# Altium PCB R100.230.040.000-00 Filtr2.PcbDoc (part 1 of 2)
Units mm, origin at the board's own origin, x right, y up, seen from the top; angles counter-clockwise.
Board outline 335 x 340 mm, 2 copper layers (Top, Bottom); 150 components, 79 nets, 411 pads, 1525 vias.
Unrouted connection lines stored in the file: 5.
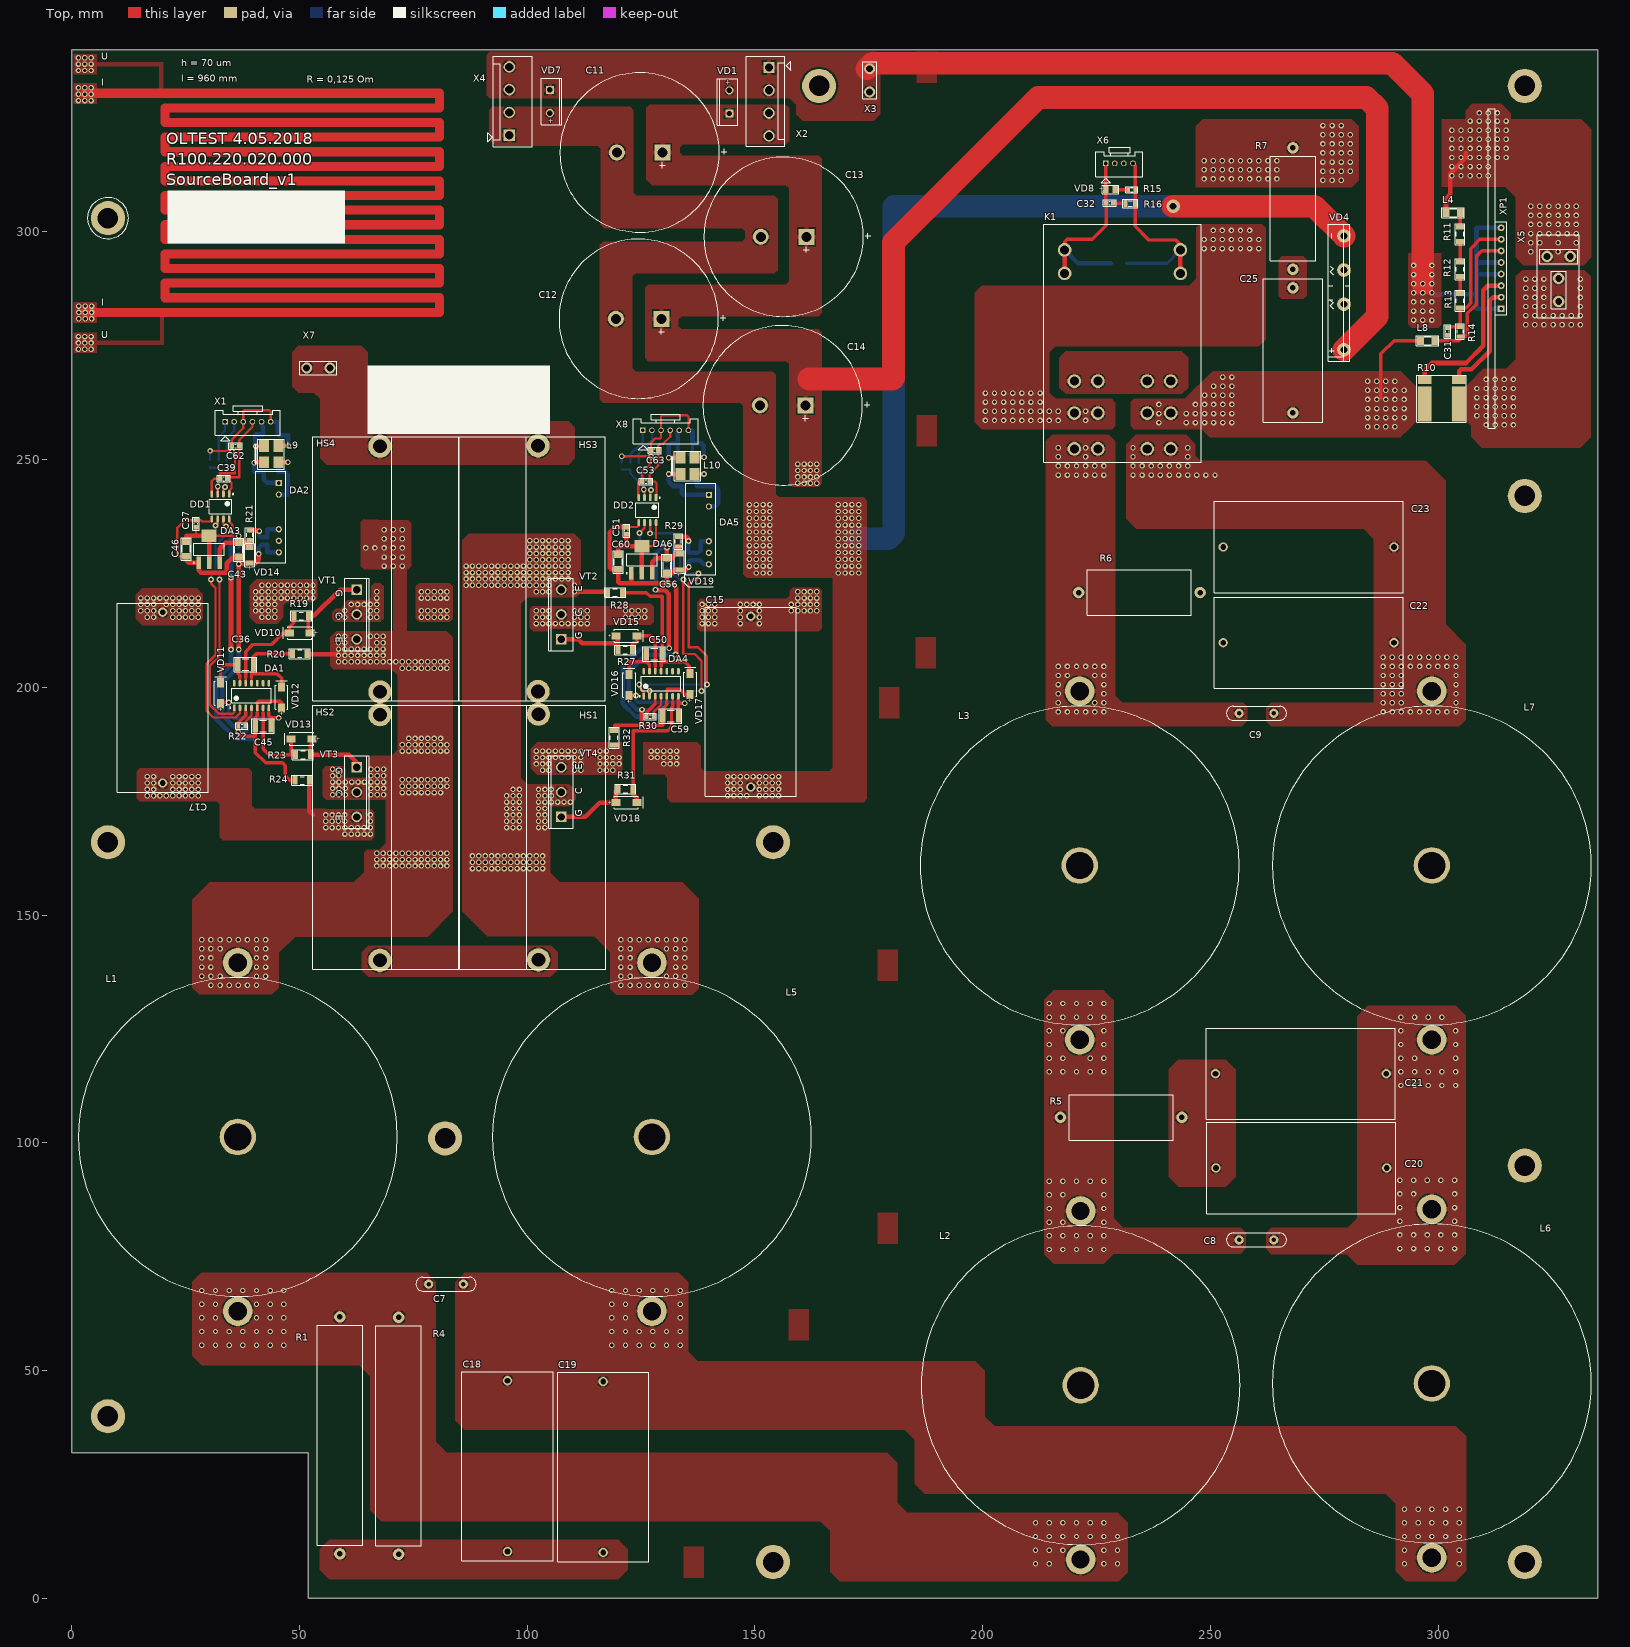
[diagram p0: Top view]
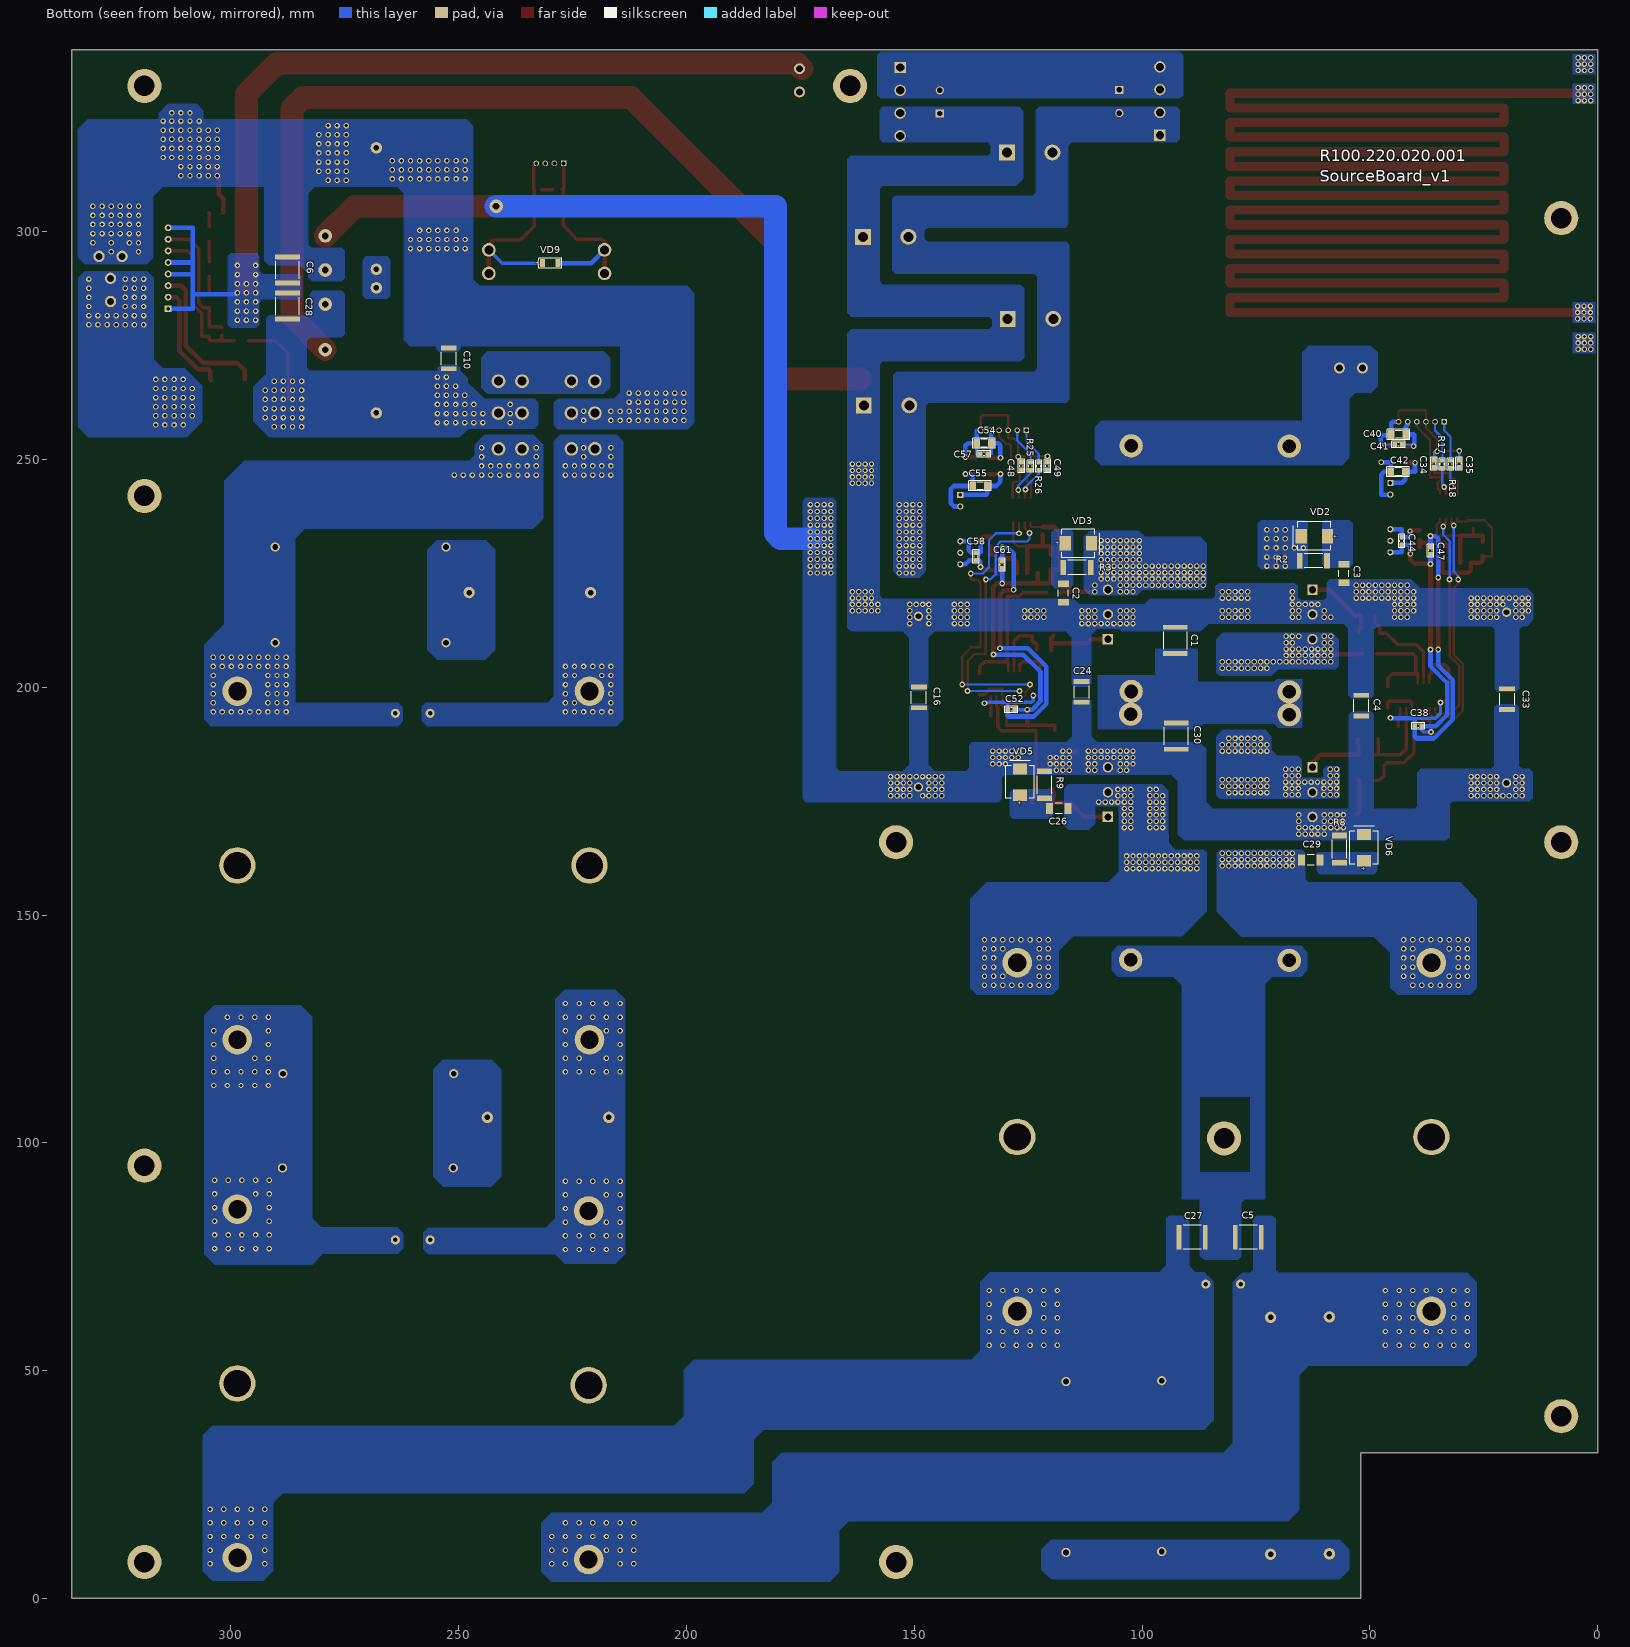
[diagram p1: Bottom view, seen from below]

## Layer stack, top to bottom
Top Solder: solder mask 0.0102, Solder Resist, Dk 3.5
Top: signal copper 0.0356
Dielectric 1: dielectric 0.32, FR-4, Dk 4.8
Bottom: signal copper 0.0356
Bottom Solder: solder mask 0.0102, Solder Resist, Dk 3.5

## Board outline
0,32 52,32 52,0 335,0 335,340 0,340

## Design rules (kind name [scope] priority, off if disabled: settings)
BoardOutlineClearance [All] p1: gap=0.5
Clearance Clearance_1 [(ObjectKind = 'Pad') And (Component = 'R10') And (Name = 'R10-2') vs InNet('VOUT-')] p1: gap=0.3
Clearance Clearance_Vout+- [InNet('VOUT+') or InNet('VOUT-')] p2: gap=1
Clearance Clearance_VOUT+-_4_+-Vin [InNet('VOUT+_4') or InNet('VOUT-_4') vs InNet('-VIN_200') or InNet('+VIN_200')] p3: gap=2
Clearance Clearance_VOUT+_4_VOUT-_4 [InNet('VOUT+_4') vs InNet('VOUT-_4')] p4: gap=2
Clearance Clearance_Vout_all [InNet('VOUT+_4') or InNet('VOUT-_4') or  InNet('VOUT+_3') or InNet('VOUT-_3') or InNet('VOUT+_2') or InNet('VOUT-_2') or InNet('VOUT+_1') or InNet('VOUT-_1') or InNet('VOUT+') or InNet('VOUT-')] p5: gap=1.2
Clearance Clearance_xp3_xp2_-Vin_200 [((ObjectKind = 'Pad') And (Component = 'XP3') And (Name = 'XP3-5')) or ((ObjectKind = 'Pad') And (Component = 'XP2') And (Name = 'XP2-5')) vs InNet('-VIN_200')] p6: gap=0.5
Clearance Clearance_+Vin_200_-Vin_200 [InNet('+VIN_200') vs InNet('-VIN_200')] p7: gap=2.2
Clearance Clearance_-Vin_200_All [InNet('-VIN_200') or InNet('+VIN_200')] p8: gap=1.2
Clearance [All] p9: gap=0.3 except(0.4: Arc-Poly Track-Poly SMDPad-Poly THPad-Poly Via-Poly Fill-Poly Poly-Poly)
ComponentClearance ComponentClearance_HS1 [(ObjectKind = 'Component') And (Name = 'HS1') or     (ObjectKind = 'Component') And (Name = 'HS2') or     (ObjectKind = 'Component') And (Name = 'HS3') or     (ObjectKind = 'Component') And (Name = 'HS4')] p1: gap=0.1 collisioncheckmode=3 verticalgap=0.1 showdistances=FALSE
ComponentClearance [All] p2: gap=0.254 collisioncheckmode=3 verticalgap=0.254 showdistances=FALSE
Height [All] p1: minheight=0 maxheight=63.5 prefheight=12.7
HoleSize [All] p1: absolutevalues=TRUE maxlimit=6.35 minlimit=0.025 maxpercent=80.000 minpercent=20.000
PolygonConnect PolygonConnect_shunt [(ObjectKind = 'Pad') And (Component = 'R10') And (Name = 'R10-1') or (ObjectKind = 'Pad') And (Component = 'R10') And (Name = 'R10-3')] p1: connectstyle=Direct reliefconductorwidth=0.254 reliefentries=4 polygonreliefangle="90 Angle" airgapwidth=0.254
PolygonConnect PolygonConnect_snnaber [((ObjectKind = 'Pad') And (Component = 'C3') And (Name = 'C3-2'))  or (ObjectKind = 'Poly') And (Net = 'NetC3_1')  or (ObjectKind = 'Pad') And (Component = 'R2') And (Name = 'R2-1')  or (ObjectKind = 'Pad') And (Component = 'VD2') And (Name = 'VD2-2')  or(ObjectKind = 'Pad') And (Component = 'C29') And (Name = 'C29-2') or (ObjectKind = 'Poly') And (Net = 'NetC29_1') or (ObjectKind = 'Pad') And (Component = 'VD6') And (Name = 'VD6-2') or (ObjectKind = 'Pad') And (Component = 'R8') And (Name = 'R8-1') or (ObjectKind = 'Poly') And (Net = 'N2') And (Name = 'Top Overlay-No Net')] p2: connectstyle=Direct reliefconductorwidth=0.254 reliefentries=4 polygonreliefangle="90 Angle" airgapwidth=0.254
PolygonConnect PolygonConnect_1 [IsStitchingVia] p3: connectstyle=Direct reliefconductorwidth=0.254 reliefentries=4 polygonreliefangle="90 Angle" airgapwidth=0.254
PolygonConnect PolygonConnect_bottom_fill [OnLayer('Bottom')] p4: connectstyle=Direct reliefconductorwidth=0.254 reliefentries=4 polygonreliefangle="90 Angle" airgapwidth=0.254
PolygonConnect PoligonConnect_top [OnLayer('Top')] p5: connectstyle=Relief reliefconductorwidth=1 reliefentries=4 polygonreliefangle="90 Angle" airgapwidth=0.3
RoutingVias [All] p1: holewidth=0.7 width=1.2 viastyle="Through Hole" minholewidth=0.5 minwidth=1 maxholewidth=5.08 maxwidth=7.62
SolderMaskExpansion [All] p1: expansion=0.102
Width Width_+Vin_200 [InNet('+VIN_200')] p1: maxlimit=50 minlimit=0.762 preferedwidth=10 checkconnectedcopper=TRUE
Width [InNet('No Net')] p2: maxlimit=0.254 minlimit=0.254 preferedwidth=0.254
27 further rules are at their usual default settings.

## Classes and differential pairs
component class SourceBoard_v1: C1 C2 C3 C4 C5 C6 C7 C8 C9 C10 C11 C12 C13 C14 C15 C16 C17 C18 C19 C20 C21 C22 C23 C24 C25 C26 C27 C28 C29 C30 C31 C32 C33 HS1 HS2 HS3 HS4 K1 L1 L2 L3 L4 L5 L6 L7 L8 R1 R2 R3 R4 R5 R6 R7 R8 R9 R10 R11 R12 R13 R14 R15 R16 VD1 VD2 VD3 VD4 VD5 VD6 VD7 VD8 VD9 VT1 VT2 VT3 VT4 X2 X3 X4 X5 X6 X7 XP1
component class SourceBoard_v1_sheet2: C34 C35 C36 C37 C38 C39 C40 C41 C42 C43 C44 C45 C46 C47 C48 C49 C50 C51 C52 C53 C54 C55 C56 C57 C58 C59 C60 C61 C62 C63 DA1 DA2 DA3 DA4 DA5 DA6 DD1 DD2 L9 L10 R17 R18 R19 R20 R21 R22 R23 R24 R25 R26 R27 R28 R29 R30 R31 R32 VD10 VD11 VD12 VD13 VD14 VD15 VD16 VD17 VD18 VD19 X1 X8

## Components (designator, comment, footprint, x,y, rotation, side; value= is the part's Value field where it differs from the comment)
C1 "4700pF X1/Y2" SMD_C_2220 92.7,210.3 r270 bottom
C2 "1.5nF" SMD_C_1808 117.3,220.7 r270 bottom
C3 "1.5nF" SMD_C_1808 55.7,225 r270 bottom
C4 "0.1u" SMD_C_1812 51.9,196 r90 bottom
C5 "4700pF X1/Y2" SMD_C_2220 76.7,79.3 r180 bottom
C6 "4700pF X1/Y2" SMD_C_2220 287.6,291.6 r90 bottom
C7 "10nF 300V" "C Y2 D13 7.5B" 82.2,69 r180 top
C8 "10nF 300V" "C Y2 D13 7.5B" 260.1,78.7 r180 top
C9 "10nF 300V" "C Y2 D13 7.5B" 260.1,194.3 r180 top
C10 "0.1u" SMD_C_1812 252.2,272.2 r270 bottom
C11 "470uF 450V" EL_D35_H45_LS10 129.7,317.4 r180 top
C12 "470uF 450V" EL_D35_H45_LS10 129.5,280.9 r180 top
C13 "470uF 450V" EL_D35_H45_LS10 161.3,298.9 r180 top
C14 "470uF 450V" EL_D35_H45_LS10 161.1,261.9 r180 top
C15 "2.2uF 600VDC" MKP_W20_H39.5_L41.5_LS37.5 149.1,178.1 r90 top
C16 "0.1u" SMD_C_1812 149,197.8 r90 bottom
C17 "2.2uF 600VDC" MKP_W20_H39.5_L41.5_LS37.5 20,216.5 r270 top
C18 "2.2uF 600VDC" MKP_W20_H39.5_L41.5_LS37.5 95.7,10.3 r90 top
C19 "2.2uF 600VDC" MKP_W20_H39.5_L41.5_LS37.5 116.7,47.6 r270 top
C20 "4.7uF 400VDC" MKP_W20_H39.5_L41.5_LS37.5 288.7,94.5 r180 top
C21 "4.7uF 400VDC" MKP_W20_H39.5_L41.5_LS37.5 288.6,115.2 r180 top
C22 "4.7uF 400VDC" MKP_W20_H39.5_L41.5_LS37.5 290.3,209.8 r180 top
C23 "4.7uF 400VDC" MKP_W20_H39.5_L41.5_LS37.5 290.3,230.8 r180 top
C24 "0.1u" SMD_C_1812 113.3,199 r90 bottom
C25 "1uF 275VAC" MKP_W13_H24_L31.5_LS27.5 268.1,273.965 r90 top
C26 "1.5nF" SMD_C_1808 118.3,173.4 r180 bottom
C27 "4700pF X1/Y2" SMD_C_2220 89,79.3 r180 bottom
C28 "4700pF X1/Y2" SMD_C_2220 287.6,283.7 r90 bottom
C29 "1.5nF" SMD_C_1808 63,162.1 r0 bottom
C30 "4700pF X1/Y2" SMD_C_2220 92.5,189.3 r90 bottom
C31 "100p" SMD_C_0603 302,278.1 r90 top
C32 "0.1u" SMD_C_0603 227.9,306.3 r180 top
C33 "0.1u" SMD_C_1812 19.9,197.4 r90 bottom
C34 "100p" SMD_C_0603 35.9,249.1 r90 bottom
C35 "100p" SMD_C_0603 30.4,249.1 r90 bottom
C36 "2.2u" SMD_C_1210 38.2,205 r0 top
C37 "0.1u" SMD_C_0603 27.3,235.9 r270 top
C38 "0.1u" SMD_C_0603 39.4,191.5 r180 bottom
C39 "0.1u" SMD_C_0603 33.4,245.8 r0 top
C40 "10u" SMD_C_1206 43.7,255.5 r180 bottom
C41 "0.1u" SMD_C_0603 43.7,253.3 r180 bottom
C42 "10u" SMD_C_1206 43.8,247.3 r180 bottom
C43 "10u" SMD_C_1206 36.7,230.2 r90 top
C44 "0.1u" SMD_C_0603 43,232.1 r90 bottom
C45 "2.2u" SMD_C_1210 42.04,191.5 r180 top
C46 "10u" SMD_C_1206 25.2,230.4 r90 top
C47 "0.1u" SMD_C_0603 36.7,230 r90 bottom
C48 "100p" SMD_C_0603 126.5,248.6 r90 bottom
C49 "100p" SMD_C_0603 120.8,248.6 r90 bottom
C50 "2.2u" SMD_C_1210 127.9,207.3 r0 top
C51 "0.1u" SMD_C_0603 121.8,234.4 r270 top
C52 "0.1u" SMD_C_0603 128.7,195.1 r180 bottom
C53 "0.1u" SMD_C_0603 126.1,245.2 r0 top
C54 "10u" SMD_C_1206 134.7,253.6 r180 bottom
C55 "10u" SMD_C_1206 135.6,244.2 r180 bottom
C56 "10u" SMD_C_1206 130.7,226.7 r90 top
C57 "0.1u" SMD_C_0603 134.7,251.2 r180 bottom
C58 "0.1u" SMD_C_0603 136.5,228.7 r90 bottom
C59 "2.2u" SMD_C_1210 131.5,193.7 r180 top
C60 "10u" SMD_C_1206 120,227.5 r90 top
C61 "0.1u" SMD_C_0603 130.7,226.9 r90 bottom
C62 "1u" SMD_C_0603 36,253 r180 top
C63 "1u" SMD_C_0603 128,252 r180 top
DA1 "IRS21844S" SOIC-14(127P600X175) 39.5,198.2 r90 top
DA2 "TMV1215S" SIP7 45.5,244.86 r270 top
DA3 "TLV1117-50IDCY" SOT-223_M 30.2,230.3 r90 top
DA4 "IRS21844S" SOIC-14(127P600X175) 129.4,200.8 r90 top
DA5 "TMV1215S" SIP7 139.9,242.24 r270 top
DA6 "TLV1117-50IDCY" SOT-223_M 125.2,228 r90 top
DD1 "ADUM3200ARZ" SOIC-8 32.7,239.7 r270 top
DD2 "ADUM3200ARZ" SOIC-8 126.4,238.9 r270 top
HS1 "Heat Sink C40-058-VE" "HEAT SINK C40-058-VE" 102.5,194.1 r0 top
HS2 "Heat Sink C40-058-VE" "HEAT SINK C40-058-VE" 67.7,140.075 r180 top
HS3 "Heat Sink C40-058-VE" "HEAT SINK C40-058-VE" 102.4,253.025 r0 top
HS4 "Heat Sink C40-058-VE" "HEAT SINK C40-058-VE" 67.7,199 r180 top
K1 "Value" T92S11 230.7,272.9 r0 top
L1 "1000/250uH 30A" "DROSS (1000/250 UH 30 A)AMAK.671111.033" 36.5,139.55 r270 top
L2 "500/125uH 30A" "DROSS (500/125 UH 30 A)AMAK.671111.034" 221.5,8.55 r90 top
L3 "500/125uH 30A" "DROSS (500/125 UH 30 A)AMAK.671111.034" 221.3,122.65 r90 top
L4 "BLM31PG601SN1" SMD_L_1206 303.3,304.2 r0 top
L5 "1000/250uH 30A" "DROSS (1000/250 UH 30 A)AMAK.671111.033" 127.4,63.05 r90 top
L6 "500/125uH 30A" "DROSS (500/125 UH 30 A)AMAK.671111.034" 298.6,85.45 r270 top
L7 "500/125uH 30A" "DROSS (500/125 UH 30 A)AMAK.671111.034" 298.6,199.15 r270 top
L8 "BLM31PG601SN1" SMD_L_1206 297.7,276.1 r0 top
L9 "DLW5BSM302SQ2" DLW5BS(AH) 43.8,251.2 r270 top
L10 "DLW5BSM302SQ2" DLW5BS(AH) 135.2,248.6 r270 top
R1 "0.47" "PRW 10W 2050" 58.9,35.8 r90 top
R2 "4.7" SMD_R_2512 62.4,227.8 r180 bottom
R3 "4.7" SMD_R_2512 114.3,226.3 r0 bottom
R4 "0.47" "PRW 10W 2050" 71.8,35.7 r90 top
R5 "0.27" "PRW 5W 1050" 230.4,105.6 r180 top
R6 "0.27" "PRW 5W 1050" 234.4,220.8 r180 top
R7 "4.7" "PRW 5W 1050" 268.1,305.1 r90 top
R8 "4.7" SMD_R_2512 56.7,164.5 r270 bottom
R9 "4.7" SMD_R_2512 121.4,178.6 r270 bottom
R10 "3mOm" "WSL3637 3MOM" 297,262.2 r0 top
R11 "30K" SMD_R_1206 304.8,299.5 r90 top
R12 "30K" SMD_R_1206 304.8,291.8 r90 top
R13 "30K" SMD_R_1206 304.8,284.9 r90 top
R14 "1.5K" SMD_R_0805 304.8,278.1 r90 top
R15 "5K6" SMD_R_0603 232.7,309.2 r180 top
R16 "300" SMD_R_0805 232.4,306.2 r180 top
R17 "100" SMD_R_0603 34.1,249 r270 bottom
R18 "100" SMD_R_0603 32.3,249 r270 bottom
R19 "6.2" SMD_R_1206 50.4,215.7 r0 top
R20 "1" SMD_R_1206 50.1,207.4 r0 top
R21 "49.9" SMD_R_0805 39.1,233.4 r270 top
R22 "0R" SMD_R_0603 37.4,191.5 r0 top
R23 "6.2" SMD_R_1206 50.8,185.2 r0 top
R24 "1" SMD_R_1206 50.6,179.6 r0 top
R25 "100" SMD_R_0603 124.5,248.5 r270 bottom
R26 "100" SMD_R_0603 122.7,248.5 r270 bottom
R27 "6.2" SMD_R_1206 121.5,208.2 r180 top
R28 "1" SMD_R_1206 119.3,220.8 r180 top
R29 "49.9" SMD_R_0805 133.2,232 r270 top
R30 "0R" SMD_R_0603 127,193.6 r0 top
R31 "6.2" SMD_R_1206 121.6,177.7 r180 top
R32 "1" SMD_R_1206 119.1,188.9 r270 top
VD1 "VS-HFA15TB60" TO220-2PINS 144.4,328.5 r180 top
VD2 "STTH4R02S" SMC 62.2,233.2 r0 bottom
VD3 "STTH4R02S" SMC 114,231.6 r180 bottom
VD4 "GBJ2560" GSIB-5S 279.3,286.6 r90 top
VD5 "STTH4R02S" SMC 126.8,179.2 r90 bottom
VD6 "STTH4R02S" SMC 51.3,164.8 r90 bottom
VD7 "VS-HFA15TB60" TO220-2PINS 105,328.6 r0 top
VD8 "LL-S172GC-2A" SMD_LED_LL_GREEN 228.1,309.3 r0 top
VD9 "PMLL4148" SOD80C 229.9,293.1 r180 bottom
VD10 "ES1B" DO-214AC 50.1,211.9 r180 top
VD11 "US1M" DO-214AC 32.7,198.7 r90 top
VD12 "US1M" DO-214AC 46.1,197.8 r90 top
VD13 "ES1B" DO-214AC 50.5,188.7 r180 top
VD14 "BZV55-C16" SOD80C 39.1,229 r90 top
VD15 "ES1B" DO-214AC 121.8,211.3 r0 top
VD16 "US1M" DO-214AC 122.4,200.5 r90 top
VD17 "US1M" DO-214AC 135.8,200.7 r90 top
VD18 "ES1B" DO-214AC 121.8,174.7 r0 top
VD19 "BZV55-C16" SOD80C 133.4,227.5 r90 top
VT1 "IRG4PC40UD" TO-247AC-3PINS 62.6,216 r270 top
VT2 "IRG4PC40UD" TO-247AC-3PINS 107.5,216 r90 top
VT3 "IRG4PC40UD" TO-247AC-3PINS 62.6,177 r270 top
VT4 "IRG4PC40UD" TO-247AC-3PINS 107.5,177 r90 top
X1 "Sherlock 6" 35362-0650 33.7,258.3 r180 top
X2 "B04P-NV" B04P-NV 153.1,336.048 r270 top
X3 "63849-1" 63849-1 175.2,335.78 r270 top
X4 "B04P-NV" B04P-NV 96.1,321.2 r90 top
X5 "926522-2" 63849-1X2 328.98,294.6 r180 top
X6 "Sherlock 4" 35362-0450 227,315 r180 top
X7 "63849-1" 63849-1 56.7,270.1 r180 top
X8 "Sherlock 6" 35362-0650 125.4,256.4 r180 top
XP1 "То_MeasOutUIBoard" XP(MEASOUTUIBOARD) 313.8,291.99 r180 top

## Footprints (in the part's own frame and the unit in brackets; to place one, negate y for a bottom-side part, rotate by r counter-clockwise, add the part's x,y. Pads: shape width x height; smd on the part's side, far side on the other; paste and mask are expansions set on the pad)
35362-0450 [mil]
  rect 48x48 / inner round 0 / far side rect 48x48 hole 32 mask+4.97: 1(0,0)
  round 48 / inner round 0 / far side round 48 hole 32 mask+4.97: 2(-78.73,0) 3(-157.47,0) 4(-236.22,0)
  silkscreen extent -321,-140 85,168, body extent -321,-102 85,116, height 335
35362-0650 [mil]
  rect 48x48 / inner round 0 / far side rect 48x48 hole 32 mask+4.97: 1(0,0)
  round 48 / inner round 0 / far side round 48 hole 32 mask+4.97: 2(-78.73,0) 3(-157.47,0) 4(-236.22,0) 5(-314.95,0) 6(-394,0)
  silkscreen extent -478,-140 85,166, body extent -478,-102 85,116, height 335
63849-1 [mil]
  round 95 hole 60: 1(0,0) 2(200,0)
  silkscreen extent -60,-60 260,60, body extent -56,-60 256,61, height 409
63849-1X2 [mm]
  round 2.5 hole 1.5: 1(0,0) 2(5.08,0) 3(2.54,4.826) 4(2.54,9.906)
  silkscreen extent -2,-4.7 7.2,13.5, body extent -1.96,-4.7 7.19,13.45, height 25.03
B04P-NV [mm]
  rect 2.5x2.5 hole 1.8: 1(0,0)
  round 2.5 hole 1.8: 2(5,0) 3(10,0) 4(15,0)
  silkscreen extent -2.5,-5 17.27,4.75, body extent -2.52,-4.83 17.47,3.68, height 10.9
"C Y2 D13 7.5B" [mm]
  round 2 hole 1: 1(-3.81,0) 2(3.81,0)
  silkscreen extent -6.6,-1.52 6.6,1.52, body extent -6.49,-2 6.49,2, height 15.5
DLW5BS(AH) [mil] "SMD Inductor"
  rect 102.24x86 smd: 1(-70,-62) 2(70,-62) 3(70,62) 4(-70,62)
  silkscreen extent -129,-134 130,114, body extent -98,-96 98,100, height 96
DO-214AC [mm] "Molded Diode, 2-Leads, Body 5,10x2,67mm, IPC Medium Density"
  rect 2x1.55 smd: 1(-2.3,0) 2(2.3,0)
  silkscreen extent -2.65,-1.4 3.67,1.4, body extent -2.86,-1.4 2.86,1.4, height 2.3
"DROSS (500/125 UH 30 A)AMAK.671111.034" [mm]
  round 6.5 hole 4: 1(0,0) 2(76.5,0)
  round 8 hole 6: 3(38.25,0)
  silkscreen extent 3.25,-35 73.25,35, body extent -2.67,-34.6 72.85,34.6, height 37
"DROSS (1000/250 UH 30 A)AMAK.671111.033" [mm]
  round 6.5 hole 4: 1(0,0) 2(76.5,0)
  round 8 hole 6: 3(38.25,0)
  silkscreen extent 3.25,-35 73.25,35, body extent -2.67,-34.6 72.85,34.6, height 62
EL_D35_H45_LS10 [mm]
  rect 3.5x3.5 hole 2.2: 1(0,0)
  round 3.5 hole 2.2 mask+0.102: 2(10,0)
  silkscreen extent -14.15,-17.5 22.5,17.5, body extent -12.5,-17.5 22.5,17.5, height 45
GSIB-5S [mm]
  round 3 hole 1.5: 1(-12.5,0) 2(-2.5,0) 3(5,0) 4(12.5,0)
  silkscreen extent -15,-1.27 15,3.4, body extent -15,-1.2 15,3.4, height 28
"HEAT SINK C40-058-VE" [mm]
  round 5.1 hole 3: 1(0,0) 2(0,-53.925)
  silkscreen extent -17.25,-56 14.75,2, body extent -17.25,-56 14.75,2, height 46.4